# Allegro board reComputer J202_V1.0.brd (continued)
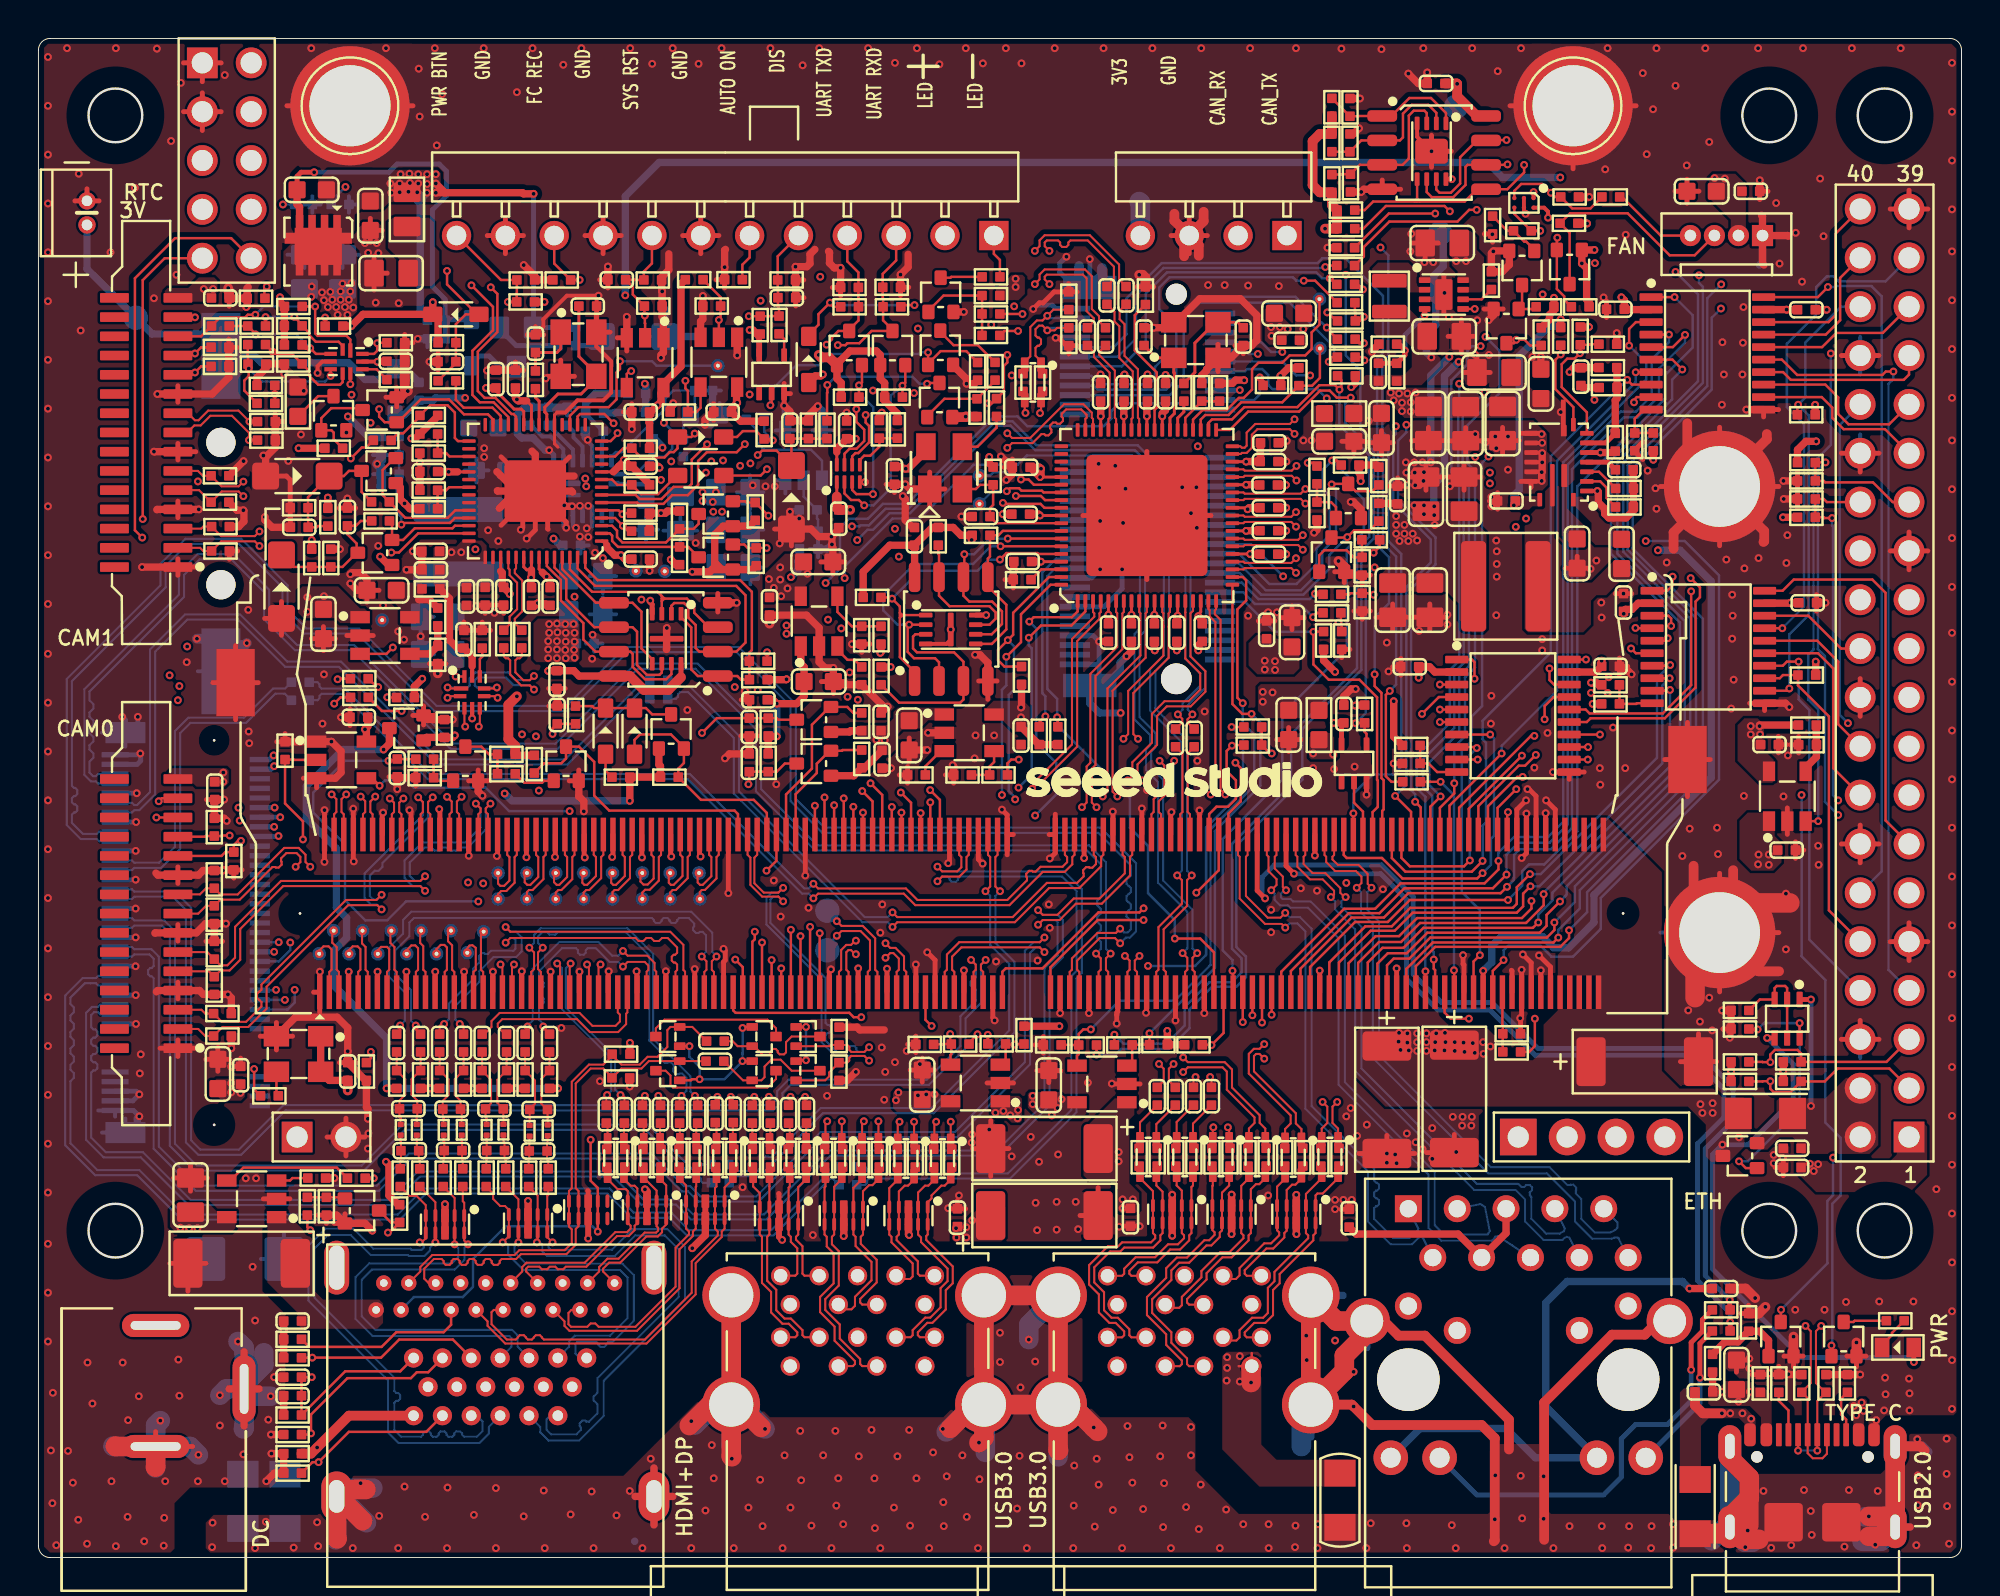
[diagram p0: board, top side]
## Routing (per net, layer and track width the routed paths; a pad name or vN(x,y) marks a point on that pad's centre or on a via; arc(x,y) is an arc through that point) (continued)
GND_SHD: length 655.3
  TOP w0.127: J1.S5 91.57,1.84
  TOP w0.381: 31.03,3.18 J5.S3 ; J5.S3 32.99,3.18 ; J5.S3 32.01,4.66 ; J5.S3 32.01,1.7 ; 87.17,1.59 J1.S1 88.73,1.59 ; 50.84,13.64 J4.22 49.16,11.96 ; 95.77,1.59 J1.S3 97.33,1.59
  TOP w0.508: J6.19 69.96,12.3 70.73,11.54 72.1,11.54 76.47,7.17 76.47,5.62 ; J3.21 68.29,7.95 v1(68.39,7.86) 69.35,6.89 75.04,6.89 75.73,6.2 v1(75.73,1.99) 75.73,0.9 75.68,0.85 ; J6.20 84.24,12.3 83.53,11.59 81.83,11.59 78.29,8.06 78.29,0.92 ; 98.08,5.57 97.87,5.79 J1.S4
  TOP w1.016: 88.94,1.68 88.94,3.07 ; 88.94,3.07 87.95,2.09 J1.S1 ; 88.94,3.07 88.96,3.1 88.96,4.15 87.95,5.16 J1.S2 ; J5.S4 15.87,3.54 17.03,3.54 ; J5.S4 15.59,3.18 16.85,1.91 ; J5.S4 15.51,1 15.53,0.97 ; J1.S1 88.59,0.95 89.47,0.95 ; J1.S1 87.6,1.24 86.29,1.24 ; 33.84,6.87 34.94,7.96 J4.20 ; J4.19 J4.20 ; J4.20 36.39,7.96 37.58,6.76 ; J4.20 36.02,5.27 36.05,5.24 ; 55.08,6.56 v1(54.88,6.76) 53.69,7.95 J3.20 ; J3.20 53.02,7.96 J4.21 ; J3.20 J3.19 49.17,13.63 J4.22 49.16,13.63 49.16,10.09 49.16,10.09 J4.21 ; J3.20 53.02,5.6 53.05,5.57 ; J1.S3 95.99,2.14 v1(95.18,2.14) ; J1.S3 96.06,1.1 95.18,1.1 ; J1.S3 J1.S4 ; J4.21 49.16,6.23 v1(48.91,5.98) ; J4.21 48.65,7.96 47.41,6.71 ; J3.21 67.91,9.7 67.91,10.5 69.08,11.67 J6.19 67.49,12.3 J3.22 J3.21
  GND02 w0.381: 88.73,1.59 J1.S1 87.17,1.59 ; 95.77,1.59 J1.S3 97.33,1.59 ; 31.03,3.18 J5.S3 ; J5.S3 32.99,3.18 ; J5.S3 32.01,4.66 ; J5.S3 32.01,1.7
  GND02 w0.508: J6.19 69.96,12.3 70.73,11.54 72.1,11.54 76.47,7.17 76.47,5.6 ; J3.21 68.29,7.95 v1(68.39,7.86) 69.35,6.89 75.04,6.89 75.73,6.2 75.73,5.29 ; 78.29,5.47 78.29,8.06 81.83,11.59 83.53,11.59 84.24,12.3 J6.20 ; J1.S4 97.94,5.79 98.21,5.52
  GND02 w1.016: J4.21 J4.22 49.17,13.63 J3.19 J3.20 ; J4.21 53.02,7.96 J3.20 ; J4.21 49.16,6.08 49.24,6 ; J4.21 48.5,7.96 46.98,6.43 ; v1(54.88,6.76) 53.69,7.95 J3.20 ; 86.25,1.18 87.54,1.18 J1.S1 ; v1(36.05,5.14) 36.02,5.17 J4.20 ; J3.20 53.02,5.7 52.97,5.65 ; J5.S4 15.64,3.18 17,1.81 ; J5.S4 15.87,3.54 17.54,3.54 ; J5.S4 15.51,1.43 15.63,1.3 ; J1.S3 96.01,1.05 95.06,1.05 ; J1.S3 J1.S4 ; J1.S3 95.99,2.14 v1(95.18,2.14) 94.93,2.14 ; J4.20 36.49,7.96 38.09,6.36 ; J4.20 35.19,7.96 33.51,6.28 ; J4.20 J4.19 ; 88.96,0.87 88.66,0.87 J1.S1 ; J1.S1 87.95,2.09 88.96,3.1 88.96,4.17 87.95,5.19 J1.S2 ; 67.91,10.45 69.08,11.62 J6.19 67.49,12.3 J3.22 J3.21 67.91,9.7 67.91,10.45
  LAY3 w0.381: 87.17,1.59 J1.S1 88.73,1.59 ; 31.03,3.18 J5.S3 ; J5.S3 32.01,4.66 ; J5.S3 32.01,1.7 ; J5.S3 32.99,3.18 ; 97.33,1.59 J1.S3 95.77,1.59
  LAY3 w0.508: 78.29,5.06 78.29,8.06 81.83,11.59 83.53,11.59 84.24,12.3 J6.20 ; 75.73,5.32 75.73,6.2 75.04,6.89 69.35,6.89 v1(68.39,7.86) 68.29,7.95 J3.21 ; 76.47,5.44 76.47,7.17 72.1,11.54 70.73,11.54 69.96,12.3 J6.19 ; 98.21,5.52 97.94,5.79 J1.S4
  LAY3 w1.016: J1.S1 87.95,2.09 88.94,3.07 88.94,4.17 87.95,5.16 J1.S2 ; J1.S1 87.51,1.15 86.39,1.15 ; J1.S1 88.16,1.38 89.1,1.38 89.43,1.05 89.67,1.05 ; 37.99,6.56 36.59,7.96 J4.20 ; v1(95.18,2.14) 95.99,2.14 J1.S3 ; J4.21 48.65,7.96 47.15,6.46 ; J4.21 49.17,7.95 J3.20 ; J4.21 49.16,6.23 v1(48.91,5.98) ; J4.21 J4.22 53.02,13.64 J3.19 J3.20 ; 17.11,3.56 15.89,3.56 J5.S4 ; J5.S4 15.69,3.18 16.9,1.96 ; J5.S4 15.51,1.18 15.53,1.15 ; J4.20 34.99,7.96 33.9,6.87 ; J4.20 36.02,6.08 36.08,6.03 ; J4.20 J4.19 ; J1.S4 J1.S3 ; J1.S3 96.04,1.07 95.13,1.07 ; J3.20 53.74,7.95 55.18,6.51 ; J3.20 53.02,5.49 53,5.47 ; 67.88,10.42 69.08,11.62 J6.19 67.49,12.3 J3.22 J3.21 67.88,9.67 67.88,10.42
  LAY4 w0.381: 88.73,1.59 J1.S1 87.17,1.59 ; J3.21 66.16,9.63 ; J3.21 67.84,7.95 ; J3.21 66.16,6.27 ; J5.S3 32.01,4.66 ; J5.S3 31.03,3.18 ; J5.S3 32.99,3.18 ; J5.S3 32.01,1.7 ; 69.08,10.92 J6.19 67.7,12.3 ; 66.16,11.95 J3.22 67.84,13.63 ; J4.21 49.16,9.64 ; J4.21 49.16,6.28 ; J4.21 50.84,7.96 ; 97.33,1.59 J1.S3 95.77,1.59
  LAY4 w0.508: 98.11,5.54 97.87,5.79 J1.S4
  LAY4 w1.016: J4.21 49.17,7.95 J3.20 ; J4.21 48.5,7.96 47.28,6.74 ; J4.21 49.16,7.96 49.16,10.62 49.21,10.68 49.16,10.72 J4.22 53.02,13.64 J3.19 J3.20 ; J4.21 48.91,7.7 v1(48.91,5.98) ; J3.20 53.69,7.95 v1(54.88,6.76) ; J3.20 53.02,5.72 53.05,5.7 ; J1.S3 J1.S4 ; J1.S3 96.06,1.1 95.03,1.1 ; J1.S3 95.99,2.14 v1(95.18,2.14) ; 17.51,3.31 15.64,3.31 J5.S4 ; J4.20 34.22,6.15 33.67,6.15 ; J4.20 36.02,5.52 36.05,5.49 ; J4.20 36.51,7.96 v1(37.78,6.69) ; J4.20 J4.19 35.88,13.49 32.78,13.49 32.01,14.27 J5.S1 ; J4.20 35.09,7.96 34.28,7.14 ; J1.S1 88.51,1.02 89.11,1.02 ; J1.S1 J1.S2 86.69,5.79 86.65,5.82 ; J1.S1 87.5,1.13 86.58,1.13 ; J5.S4 15.64,3.18 16.7,2.12 ; J5.S4 15.51,1.18 15.56,1.12 ; J6.20 84.83,10.62 84.9,10.55
  PWR05 w0.381: 87.17,1.59 J1.S1 88.73,1.59 ; 66.16,8.22 66.16,9.63 ; 66.16,11.95 J3.22 67.84,13.63 ; J5.S3 32.99,3.18 ; J5.S3 32.01,1.7 ; J5.S3 31.03,3.18 ; J5.S3 32.01,4.66 ; 67.7,12.3 J6.19 69.08,10.92
  PWR05 w0.508: 97.73,1.18 96.96,1.18 J1.S3 97.33,2.37 97.85,2.37 ; J1.S4 97.84,5.79 98.16,5.47
  PWR05 w1.016: 94.93,2.14 v1(95.18,2.14) 95.74,2.14 96.3,1.59 95.61,0.9 95.01,0.9 ; J4.19 J4.20 ; J4.20 35.14,7.96 34.18,6.99 ; J4.20 36.02,6.06 36.16,5.93 ; J4.20 36.51,7.96 v1(37.78,6.69) ; J4.21 53.02,7.96 J3.20 ; J4.21 49.16,10.63 49.29,10.75 49.16,10.88 J4.22 49.17,13.63 J3.19 J3.20 ; J4.21 49.26,7.86 49.26,5.75 ; J4.21 48.65,7.96 47.38,6.69 ; 67.27,9.33 66.16,8.22 J3.21 ; J3.21 68.29,7.95 v1(68.39,7.86) ; J3.21 66.16,7.72 ; 87.91,1.38 88.85,1.38 89.23,1 89.37,1 ; J5.S4 15.59,3.18 16.83,1.94 ; J5.S4 15.79,3.46 17.54,3.46 ; J5.S4 15.51,0.95 ; 66.16,7.72 66.16,5.59 66.18,5.57 ; 66.16,7.72 67.27,6.61 ; J3.20 53.02,5.57 53.1,5.49 ; J3.20 53.69,7.95 v1(54.88,6.76) ; 86.25,0.87 87.24,0.87 J1.S1 J1.S2 ; J1.S4 J1.S3
  BOTTOM w0.381: 31.03,3.18 J5.S3 ; J5.S3 32.01,4.66 ; J5.S3 32.99,3.18 ; J5.S3 32.01,1.7 ; 69.08,10.92 J6.19 67.7,12.3 ; 66.16,11.95 J3.22 67.84,13.63 ; J3.21 67.84,7.95 ; J3.21 66.16,6.27 ; J3.21 66.16,9.63 ; 31,0.85 31.01,0.85 ; 97.33,1.59 J1.S3 95.77,1.59
  BOTTOM w0.508: 98.23,5.49 97.94,5.79 J1.S4
  BOTTOM w1.016: J5.S4 15.94,3.61 17.39,3.61 ; J5.S4 15.69,3.18 17.06,1.81 ; J5.S4 15.51,0.97 15.46,0.92 ; 47.21,6.54 48.63,7.96 J4.21 ; J4.20 35.19,7.96 34.12,6.89 ; J4.20 36.51,7.96 v1(37.78,6.69) ; J4.20 J4.19 ; J4.20 36.02,5.89 36,5.87 ; J4.21 53.02,7.96 J3.20 ; J4.21 49.24,7.88 49.24,5.47 ; J4.21 J4.22 53.02,13.64 J3.19 ; 65.67,5.77 65.67,7.46 J3.21 ; J3.19 51.5,12.11 v1(51.5,11.34) ; J3.19 J3.20 ; 94.83,0.85 95.81,0.85 J1.S3 ; 87,0.87 87.72,1.59 J1.S1 ; J1.S2 J1.S1 ; J1.S1 88.74,0.79 89.14,0.79 ; 94.95,2.12 96.02,2.12 J1.S3 ; v1(54.88,6.76) 53.69,7.95 J3.20 ; J3.20 53.02,5.24 ; J1.S3 J1.S4
  vias: v1(9.05,1.81) v1(9.03,0.54) v1(11.26,0.49) v1(11.82,1.86) v1(13.27,0.52) v1(14.49,1.84) v1(14.54,0.59) v1(16.34,0.49) v1(16.75,3.87) v1(17.72,2.17) v1(18.71,0.49) v1(19.04,3.69) v1(20.1,2.12) v1(21.27,3.64) v1(21.25,0.49) v1(22.64,2.22) v1(23.79,3.61) v1(23.79,0.49) v1(25.23,2.14) v1(26.28,3.49) v1(26.33,0.49) v1(27.67,2.24) v1(28.76,3.44) v1(28.87,0.49) v1(30.06,2.19) v1(30.75,3.46) v1(31.41,0.49) v1(31.84,5.14) v1(33.95,7.09) v1(33.95,0.49) v1(34.68,2.45) v1(35.01,5.85) v1(35.11,4.12) v1(36.16,0.49) v1(36.92,2.6) v1(37.53,4.05) v1(37.65,1.63) v1(38.7,0.49) v1(38.8,5.32) v1(39.1,2.6) v1(39.61,6.59) v1(39.66,4.02) v1(40.19,1.66) v1(40.8,5.32) v1(41.24,0.49) v1(41.44,6.59) v1(41.49,2.7) v1(41.59,4.12) v1(41.85,1.73) v1(42.66,5.27) v1(43.32,6.64) v1(43.47,4.12) v1(43.5,1.53) v1(43.78,0.49) v1(44.49,2.6) v1(44.67,5.27) v1(45.27,6.64) v1(45.33,1.66) v1(45.66,4.12) v1(46.32,0.49) v1(46.52,5.47) v1(47.03,6.69) v1(47.05,2.88) v1(47.08,1.63) v1(47.23,4.22) v1(48.04,5.32) v1(48.27,2.12) v1(48.86,0.49) v1(48.93,4.07) v1(50,11.69) v1(50,10.17) v1(50.89,2.55) v1(51.02,5.29) v1(51.07,8.85) v1(51.4,0.49) v1(51.83,10.19) v1(53.81,0.49) v1(53.86,4.78) v1(53.83,2.7) v1(54.93,1.61) v1(55.03,5.14) v1(55.13,3.79) v1(55.87,2.47) v1(56.35,0.49) v1(56.63,6.84) v1(56.73,5.21) v1(56.88,3.89) v1(57.44,2.52) v1(58.33,5.27) v1(58.46,6.87) v1(58.48,1.58) v1(58.53,3.87) v1(58.89,0.49) v1(59.68,2.62) v1(59.93,6.79) v1(59.93,5.32) v1(60.34,1.48) v1(60.44,3.79) v1(61.43,0.49) v1(61.76,2.5) v1(62.65,1.73) v1(63.97,1.73) v1(63.97,0.49) v1(65.37,1.66) v1(65.34,0.54) v1(65.93,11.54) v1(65.95,10.27) v1(66.51,0.49) v1(66.53,1.73) v1(67.42,11.28) v1(68.39,9.66) v1(69.05,0.49) v1(69.28,1.79) v1(71.13,1.79) v1(71.16,0.49) v1(73.49,1.68) v1(73.7,0.49) v1(75.75,4.27) v1(76.24,0.49) v1(77.08,4.25) v1(77.15,2.04) v1(78.27,4.22) v1(78.27,2.01) v1(78.78,0.49) v1(79.62,1.63) v1(81.29,1.63) v1(81.32,0.49) v1(82.71,1.63) v1(82.66,0.52) v1(83.88,1.63) v1(83.86,0.49) v1(85,1.73) v1(85.01,0.52) v1(88.76,0.54) v1(88.88,1.4) v1(89.7,3.46) v1(90.1,0.5) v1(91.14,0.64) v1(91.81,3.51) v1(92.16,2.42) v1(92.21,1.18) v1(93.91,0.57) v1(94.14,3.51) v1(95.51,0.67) v1(95.64,3.46) v1(97.7,6.15) v1(97.65,0.64) v1(97.73,4.27) v1(97.73,2.73) v1(99.22,6.18) v1(99.22,4.35) v1(99.25,2.67) v1(99.35,0.72)
VBUSDET: length 2.8
  TOP w0.127: 60.5,60.14 R178.2 ; 60.5,60.14 59.64,59.27 U28.43 ; 60.5,60.14 R179.2
VCC_3V3_SQ1: length 10.5
  LAY4 w0.381: v1(26.78,52.99) 26.78,55.61 28.76,57.59 31.8,57.59 31.93,57.72 v1(32.45,57.72)
  BOTTOM w0.381: C183.1 27.14,52.64 v1(26.78,52.99) ; R248.1 32.04,58.18 32.42,57.8 32.42,57.74 v1(32.45,57.72)
VCC_3V3_SQ2: length 11.3
  TOP w0.381: R204.1 v1(79.16,64.39)
  BOTTOM w0.381: v1(79.16,64.39) 78.79,64.03 78.53,64.03 77,62.49 77,55.52 76.72,55.24 v1(76.72,54.72)
VDD_1V05: length 7.1
  BOTTOM w0.381: v1(72.43,62.42) 72.17,62.67 72.17,63.61 72.66,64.09 72.66,65.37 72.56,65.47 72.56,66.66 73.05,67.15 73.05,68.71 TP42.1
  vias: v1(69.18,59.11)
VDD_1V05_HUB: length 18.9
  TOP w0.152: v1(55.24,59.35) U28.54 ; v1(62.8,55.79) U28.33 ; v1(55.64,49.03) U28.5 ; U28.67 v1(52.08,54.19) ; v1(57.64,59.35) U28.48 ; v1(62.8,53.39) U28.27 ; U28.8 v1(56.84,49.03) ; v1(58.03,49.03) 58.04,49.04 U28.11 ; U28.30 62.8,54.59 v1(62.88,54.52) ; U28.14 v1(59.24,48.98) ; v1(56.44,59.35) U28.51 ; v1(62.8,56.99) U28.36
  TOP w0.381: 56.44,59.35 v1(56.44,59.35) 56.44,60.13 C138.1 ; v1(62.88,54.52) 62.95,54.59 C115.1 ; v1(62.8,53.39) 62.81,53.4 C109.1 ; C84.1 59.2,48.94 v1(59.24,48.98) ; v1(56.84,49.03) 56.83,49.03 C82.1 ; 57.64,59.35 v1(57.64,59.35) 57.64,60.11 C139.1 ; v1(55.64,49.03) 55.64,49.03 C81.1 ; C114.1 52.01,54.26 v1(52.08,54.19) ; C127.1 63.55,57.01 C126.1 62.8,57 v1(62.8,56.99) ; 55.24,59.35 v1(55.24,59.35) 55.24,60.13 C137.1 ; v1(62.8,55.79) 62.8,55.79 63.49,55.79 C120.1 ; v1(58.03,49.03) C83.1
  LAY4 w0.381: v1(55.24,59.35) v1(56.44,59.35)
  vias: v1(65.77,58.1) v1(66.2,58.1)
VDD_1V8: length 159.5
  TOP w0.152: 41.51,55.18 U30.1
  TOP w0.203: v1(78.5,69.68) 78.5,70 78.29,70.2 U39.A2 ; U41.8 v1(73.49,71.68)
  TOP w0.254: C74.2 67.76,43.29 U16.5
  TOP w0.381: v1(67.42,46.06) 66.83,46.65 R124.1 ; U37.2 82.48,64.9 C156.2 82.46,65.39 v1(82.31,65.54) ; 35.53,51.38 Q18.1 37.13,51.38 R132.1 ; 35.53,51.38 35.17,51.75 ; 35.53,51.38 35.03,51.38 ; R10.1 18.7,18.35 18.22,18.83 18.22,20.43 v1(18.07,20.58) ; R175.1 41.74,61.09 41.52,61.31 Q27.1 41.52,62.07 42.19,62.75 43.57,62.75 43.77,62.54 Q28.1 43.77,61.31 44,61.08 R176.1 44,60.16 44.66,59.5 R167.1 ; U19.2 72.61,46.05 72.34,46.32 C77.2 v1(71.77,45.76) ; v1(19.96,45.7) 19.55,45.29 R108.1 ; C74.2 v1(67.36,43.41) ; R96.1 70.47,42.69 v1(70.47,44.53) ; v1(89.5,43.24) 89.5,43.24 89.5,43.29 R104.1 ; 35.03,51.38 34.91,51.26 v1(34,51.26) ; 35.03,51.38 35.17,51.52 35.17,51.75 ; R141.1 36.97,53.63 Q21.1 35.6,53.63 35.17,53.19 35.17,51.75 ; v1(80.91,68) Q33.1 v1(80.26,67.3) 80.5,67.05 80.5,65.42 80.63,65.29 R218.1 ; v1(80.73,45.5) 80.78,45.5 80.8,45.49 81.03,45.49 81.13,45.38 R110.1 ; C90.2 82.53,49.31 82.87,49.31 83.19,49.63 U21.2 ; R159.1 v1(83.97,57.09) ; R89.1 24.85,41.72 R94.1
  TOP w0.508: Q27.1 41.12,62.42 40.7,62.42 v1(40.58,62.54) ; v1(42.21,54.48) C111.2 41.51,54.59 41.51,55.18 ; R94.1 24.79,42.21 24.43,42.56 24.43,44.34 v1(24.88,44.79) ; R244.1 R241.1 66.63,74.03 66.26,73.66 66.26,71.37 66.63,71 R239.1 67.26,70.34 R236.1 R234.1 v1(66.9,69.11) ; U40.8 74.8,74.97 73.77,76 v1(73.77,76.64) 73.75,76.66 C168.1
  LAY3 w0.381: v1(18.07,20.58) 18.07,23.63 16.7,25 16.7,31.86 16.34,32.21 16.34,33.03 14.29,35.08 12.66,35.08 11.14,36.61 11.14,39.53 10.15,40.52 10.15,44.97 v1(7.73,47.38)
  LAY3 w0.508: v1(50.81,66.07) 42.94,66.07 40.4,63.53 40.4,62.72 v1(40.58,62.54) 40.42,62.54 39.92,62.03 39.92,56.78 v1(42.21,54.48)
  LAY4 w0.381: 19.96,46.15 19.96,46.16 ; 19.96,46.15 v1(19.96,45.7) ; 19.96,46.15 19.52,46.59 ; 19.96,46.16 20.38,46.59 ; 19.96,46.16 19.96,46.57 19.98,46.59
  LAY4 w0.508: 24.88,46.54 24.88,46.11 ; 24.88,46.54 24.88,47.15 ; 24.88,46.54 24.83,46.59 24.4,46.59 ; 24.88,46.11 24.4,46.59 ; 24.88,46.11 v1(24.88,44.79) ; 24.4,46.59 24.32,46.59 ; 24.88,47.15 24.88,47.71 26.89,49.72 26.89,50.25 27.27,50.63 33.36,50.63 v1(34,51.26) 37.73,55 41.69,55 v1(42.21,54.48) ; 24.88,47.15 24.32,46.59 ; 24.32,46.59 8.52,46.59 v1(7.73,47.38)
  BOTTOM w0.381: v1(73.77,76.64) 73.72,76.59 TP30.1
  vias: v1(50.81,66.5) v1(80.73,44.96) v1(80.94,67.32) v1(81.6,44.97) v1(81.65,45.78) v1(82.44,49.08) v1(89.04,43.24) v1(89.04,42.81) v1(89.52,42.81)
VDD_1V8_FB: length 2.6
  TOP w0.381: U15.4 91.89,41.08 92.45,41.64 R98.1 92.45,42.28 R104.2
VDD_3V3_DISCHG: length 2.3
  TOP w0.127: R174.2 14.54,60.4 Q24.3
VDD_3V3_DP: length 26.5
  TOP w0.381: R68.1 v1(30.76,26.77)
  LAY3 w0.381: J5.B20 17.23,13.2 17.23,15.17 22.39,20.33 29.81,20.33 32.89,23.41 32.89,24.91 31.04,26.77 v1(30.76,26.77)
VDD_3V3_HDMI: length 45.1
  TOP w0.381: Q15.1 32.26,41.23 32.34,41.15 R84.1 R83.1 v1(30.75,39.35) ; C63.1 42.96,41.07 R93.1 42.4,40.66 Q14.1 ; R105.1 42.24,43 42.18,42.94 Q17.1 ; v1(43.78,47.05) 43.81,47.09 R123.1 ; Q16.1 20.18,42.65 R101.1 21.55,42.65 v1(21.65,42.76)
  LAY3 w0.381: v1(24.24,39.73) 23.72,39.73 21.65,41.8 v1(21.65,42.76) ; v1(43.78,47.05) 43.78,46.53 43.57,46.32 v1(43.57,42.53)
  LAY4 w0.381: v1(43.57,42.53) 43.6,42.5 v1(44,42.5) 44,41.64 43.76,41.4 43.76,38.83 42.99,38.06 37.6,38.06 36.31,39.35 v1(30.75,39.35)
  BOTTOM w0.381: v1(30.75,39.35) 24.62,39.35 v1(24.24,39.73)
VDD_3V3_HUB: length 10.1
  TOP w0.152: U28.17 60.44,49.18 60.31,49.05 v1(60.31,48.95) ; U28.73 v1(52.13,51.79) ; v1(58.44,59.35) U28.46 ; v1(63,52.19) U28.24 ; U28.62 v1(52.08,56.19)
  TOP w0.381: C140.1 58.61,59.67 58.44,59.5 v1(58.44,59.35) 58.44,59.35 ; v1(52.13,51.79) 52.12,51.8 C102.1 ; C85.1 60.52,48.75 v1(60.31,48.95) ; C103.1 63.01,52.18 v1(63,52.19) ; R179.1 62.08,61.06 62.25,61.23 62.69,61.23 v1(62.7,61.22) ; v1(52.13,56.62) 52.13,56.24 v1(52.08,56.19) 52.07,56.19 C124.1 52.06,56.7 v1(52.13,56.62)
  vias: v1(60.29,57.79) v1(63.66,45.02) v1(63.66,44.51) v1(64.17,44.99)
VDD_3V3_SYS: length 196.3
  TOP w0.152: 41.51,57.49 U30.8
  TOP w0.203: U36.9 17.62,62.2 v1(17.63,62.19)
  TOP w0.254: U25.8 v1(49.28,49.01)
  TOP w0.381: v1(49.44,57.23) 49.44,56.91 R151.1 ; C108.1 45.56,52.64 U26.8 ; C108.1 46.48,53.57 R134.1 47.56,53.57 47.97,53.16 R135.1 48.53,53.13 v1(48.53,52.92) ; C108.1 44.27,52.64 42.89,51.26 R127.1 ; OSC1.1 OSC1.4 15.12,24.81 C47.1 ; v1(81.29,46.64) C78.1 80.99,46.05 U19.19 ; R78.1 v1(53.09,27.63) ; v1(12.79,61.55) R193.1 11.83,62.07 R192.1 ; R192.1 11.82,61.83 11.36,61.37 R181.1 ; R192.1 11.82,62.06 ; U31.4 46.15,57.55 45.22,56.62 v1(45.1,56.62) 44.97,56.62 44.86,56.74 C121.1 ; R67.1 v1(88.02,25.28) R56.1 ; C116.1 70.64,54.83 R142.1 ; C91.1 v1(91.11,49.65) 91.09,49.63 U21.19 ; 41.51,57.49 41.51,57.67 C129.1 v1(42.5,58.18) ; R115.1 51.12,44.23 v1(51.09,44.2) ; v1(68.26,60.87) 68.48,61.08 R188.1 ; R139.1 v1(90.72,54.1) ; R154.1 91.47,57.61 91.91,58.05 v1(92.44,58.05) ; v1(68.76,55.98) 68.74,55.99 68.74,56.35 68.67,56.42 R153.1 69.59,56.81 R152.1 ; v1(17.63,62.19) 17.72,62.19 17.74,62.21 C146.1 ; U37.19 v1(90.9,64.9) 90.91,64.89 C155.1 ; R100.1 R99.1 52.03,42.28 C67.1 ; R113.1 v1(44.31,46.31) ; v1(40.79,61.53) 40.75,61.53 40.68,61.45 40.4,61.45 D38.1 ; R187.1 65,61.87 v1(64.58,61.45) 64.58,61.37 64.61,61.35 R182.1 ; R191.2 80.22,61.88 C144.2 79.84,61.87 v1(79.62,61.65) ; v1(58.7,27.39) R73.1 59.59,26.67 R72.1 ; v1(68.47,44.3) 68.52,44.3 68.54,44.33 R106.1 ; v1(12.56,65.54) 12.56,65.29 R220.1 12.79,65.06 R210.1 R196.1 ; R169.1 v1(92.39,59.95) ; C7.1 v1(85.85,13.99) ; R116.1 v1(92.42,46.59)
  TOP w0.508: C47.1 v1(16.08,24.29)
  LAY3 w0.381: v1(42.5,58.18) 41.46,59.21 41.46,59.72 40.53,60.66 40.53,61.27 v1(40.79,61.53)
  LAY4 w0.381: v1(92.42,46.59) 91.77,47.24 91.23,47.24 90.99,47 83.96,47 83.4,46.44 82.33,46.44 82.13,46.64 v1(81.29,46.64) ; v1(85.85,13.99) 86.37,13.99 86.41,14.03 91.83,14.03 92.9,15.09 92.9,20.1 v1(92.54,20.45) ; v1(45.1,56.62) 48.31,56.62 48.92,57.23 v1(49.44,57.23) ; v1(73.85,62.19) 74.27,62.19 74.8,61.65 v1(79.62,61.65) ; v1(53.09,27.63) 53.16,27.63 53.32,27.79 53.34,27.79 54.37,28.82 54.4,28.82 54.41,28.83 57.36,28.83 57.38,28.85 57.81,28.85 58.41,28.25 58.41,27.68 v1(58.7,27.39) 59.22,27.39 59.31,27.3 64.67,27.3 65.37,28 73.29,28 73.77,27.52 85.26,27.52 87.5,25.28 v1(88.02,25.28) ; v1(50.61,61.48) 48.81,61.48 48.73,61.56 46.03,61.56 45.99,61.53 v1(40.79,61.53)
  PWR05 w0.381: 56.1,67.44 56.1,67.55 J16.4
  PWR05 w0.508: 58.2,67.8 58.2,67.85 J16.4
  PWR05 w0.533: 96.29,42.19 J10.17 ; J10.17 97.27,43.17 ; J10.17 97.27,41.21 ; J10.17 98.25,42.19 ; 57.3,67.81 J16.4 58.24,68.75
  BOTTOM w0.254: J18.2 12.02,41.5 v1(12.23,41.71) ; v1(12.25,41.16) 12.1,41 J18.4 ; J18.14 v1(12.57,38.5) ; J18.12 v1(12.28,39) ; v1(12.48,37.52) 12.46,37.5 J18.18 ; J18.16 v1(12.25,38)
  BOTTOM w0.381: v1(72.58,54.67) 72.55,54.69 72.55,55.79 73.11,56.34 73.11,61.45 v1(73.85,62.19) ; v1(85.85,13.99) 85.48,14.36 79.49,14.36 78.38,13.25 78.38,7.85 J6.17 77.84,5.19 76.31,6.71 71.84,6.71 J6.15 ; v1(16.09,59.34) 17.13,58.3 R262.1
  BOTTOM w1.016: 57.24,70.52 57.3,70.46 J16.4
  vias: v1(7.38,17.15) v1(7.84,17.13) v1(8.27,17.13) v1(8.6,65.97) v1(9.08,65.97) v1(9.61,40.83) v1(9.61,40.34) v1(10.02,24.67) v1(10.02,24.19) v1(10.5,24.16) v1(13.79,60.67) v1(51.09,43.7) v1(63.77,46.64) v1(63.77,46.18) v1(64.1,63.99) v1(64.12,63.53) v1(64.3,46.62) v1(64.3,46.16) v1(64.55,63.99) v1(64.96,63.89) v1(66.28,41.82) v1(67.32,41.76) v1(70.6,54.16) v1(70.6,53.7) v1(70.6,53.25) v1(70.78,52.86) v1(71.03,53.7) v1(71.03,53.25) v1(71.23,52.86) v1(71.46,53.25) v1(71.54,54.72) v1(71.69,52.89) v1(72.05,54.72) v1(72.05,54.26) v1(72.58,54.21) v1(72.61,53.7) v1(73.72,67.42) v1(74.23,67.42) v1(89.45,36.56) v1(89.42,36.05) v1(89.98,36.56) v1(89.98,36.02) v1(92.11,20.48) v1(92.32,20.1)
VDD_5V0_HDMI_CON: length 76.3
  TOP w0.381: C75.1 38.19,44.61 v1(38.39,44.41) 39.43,44.41 39.81,44.79 C76.1 39.81,46.32 39.64,46.49 U27.1 ; R91.1 R102.1 37.97,42.7 v1(38.39,42.7)
  TOP w0.508: J5.A18 16.15,7.38 v1(14.49,5.72) 14.17,5.4 D2.2
  LAY3 w0.508: v1(25.87,42.71) 25.41,42.25 25.41,37.75 24.75,37.09 22.11,37.09 21.09,36.08 21.09,33.64 20.48,33.03 20.48,31.97 20.03,31.52 20.03,29.68 18.17,27.82 18.17,26.2 19.43,24.95 19.43,20.1 17.73,18.4 13.96,18.4 12.17,16.61 12.17,11.47 13.18,10.45 13.18,6.45 13.91,5.72 v1(14.49,5.72)
  LAY4 w0.508: v1(25.87,42.71) 26.38,42.2 37.88,42.2 v1(38.39,42.7)
  BOTTOM w0.381: v1(38.39,44.41) v1(38.39,42.7)
VDD_5V_GPIO: length 6.1
  TOP w0.254: Q11.1 v1(92.17,29.02)
  BOTTOM w0.254: v1(92.17,29.02) v1(92.17,23.48)
VDD_5V_SYS: length 68.2
  TOP w0.203: U39.A1 v1(77.75,71.01)
  TOP w0.254: LED1.1 97.52,10.17 v1(97.52,10.17) ; Q11.4 v1(89.89,27.02)
  TOP w0.381: R203.1 78.57,64.39 78.57,64.62 78.8,64.86 R217.1 v1(78.8,65.51) ; C72.1 17.13,43.21 v1(16.98,43.07) 17.05,42.99 U17.5 ; v1(80.53,69.37) 80.52,69.39 R235.1 ; R161.1 v1(13.53,57.69) ; R140.1 v1(15.05,55.12) ; R224.1 v1(26.31,65.3) ; U35.5 36.33,60.66 36.3,60.63 36.3,60.09 v1(36.33,60.05) 36.04,59.76 C136.1 36.52,59.1 R163.1
  LAY3 w0.381: v1(14.85,49.99) 16.14,48.7 16.14,45.52 16.98,44.69 v1(16.98,43.07)
  PWR05 w0.152: 46.2,68.75 J15.2 ; J15.2 47.14,69.69 ; J15.2 47.14,67.81 ; J15.2 48.08,68.75
  PWR05 w0.254: v1(27.88,49.97) 29.32,51.42 30.19,51.42 31,52.23 31.74,52.23 33.82,54.31 33.82,57.51 33.59,57.74 33.59,58.83 33.92,59.16 33.92,60.25 33.13,61.04 v1(31.53,61.04)
  BOTTOM w0.254: v1(89.89,27.02) 91.25,25.66 91.25,23.81 88.91,21.47 v1(87.57,21.47) 87.06,20.96 87.06,14.99 91.66,10.4 97.29,10.4 v1(97.52,10.17)
  BOTTOM w0.381: v1(31.53,61.04) 31.58,61 R255.2 C192.2
  vias: v1(13.98,49.94) v1(13.98,49.18) v1(26.5,47.66) v1(26.5,47.23) v1(26.5,46.77) v1(26.56,48.55) v1(26.56,48.09) v1(26.96,48.57) v1(26.99,48.11) v1(26.96,47.66) v1(26.96,47.23) v1(26.96,46.77) v1(27.39,48.55) v1(27.39,47.2) v1(27.42,48.09) v1(27.42,47.63) v1(27.42,46.77) v1(27.83,48.55) v1(27.88,48.09) v1(27.88,47.63) v1(27.85,47.2) v1(27.88,46.79) v1(37.99,50.88) v1(38.24,50.43) v1(38.57,51.49) v1(38.57,50.86) v1(38.62,49.99) v1(38.9,48.47) v1(38.9,48.04) v1(38.95,50.4) v1(39.99,51.16) v1(44.59,23.78) v1(44.72,24.19) v1(45.73,24.04) v1(46.16,24.09) v1(46.6,24.09) v1(51.7,24.01) v1(51.7,23.58) v1(52.69,22.99) v1(53,23.38) v1(53.2,23.83) v1(70.75,27.29) v1(70.73,26.83) v1(70.83,26.4) v1(71.18,27.26) v1(71.18,26.78) v1(71.26,26.37) v1(71.69,27.26) v1(71.69,26.8) v1(71.69,26.35) v1(72.17,27.26) v1(72.17,26.8) v1(72.17,26.35) v1(72.61,26.37) v1(72.68,27.26) v1(72.63,26.8) v1(73.11,26.37) v1(73.14,27.29) v1(73.16,26.8) v1(73.65,26.8) v1(73.65,26.35) v1(74.1,26.78) v1(74.15,26.3) v1(74.59,26.75) v1(74.69,26.25) v1(75.12,26.8) v1(75.15,26.19) v1(75.5,26.58) v1(86.42,23.58) v1(86.52,23.12) v1(87.06,23.63) v1(87.06,23.12) v1(87.16,71.74) v1(87.69,71.71) v1(88.43,21.85)
VDD_DCIN: length 39.2
  TOP w0.381: R130.1 v1(14.21,52.92) ; R205.1 v1(80.63,63.99)
  TOP w0.508: R171.2 v1(48.22,59.33) 48.19,59.31 Q26.2
  LAY3 w0.381: 36.99,54.74 38.13,54.74 38.48,54.4 38.48,53.72 39.13,53.07 v1(39.13,50.99) ; v1(14.19,65.56) 13.89,65.27 13.89,63.67 13.6,63.38 13.6,61.73 14.29,61.04 14.29,53.52 14.21,53.44 v1(14.21,52.92) ; v1(80.63,63.99) 80.65,63.97 80.65,61.07 v1(79.16,59.57)
  LAY4 w0.381: v1(48.22,59.33) 45,59.33 44.21,60.13 42.83,60.13 42.47,60.48 v1(36.98,60.48)
  BOTTOM w0.381: v1(39.13,50.99) 39.5,51.35 39.5,51.81 39.57,51.89 R247.1
  vias: v1(14.21,66.1) v1(14.74,65.79) v1(14.85,65.39) v1(15.05,65.03) v1(15.18,65.82) v1(15.28,65.41) v1(15.48,65.03) v1(15.56,64.62) v1(15.71,65.84) v1(15.71,65.41) v1(15.81,66.25) v1(15.94,65.03) v1(16.06,64.62) v1(16.14,65.41) v1(16.27,66.28) v1(16.22,65.84) v1(16.37,65.01) v1(28.43,56.12) v1(28.49,55.71) v1(32.37,56.04) v1(32.91,57) v1(34.53,55.4) v1(34.53,54.95) v1(34.71,56.42) v1(34.99,57) v1(35.06,54.9) v1(35.09,54.39) v1(35.23,55.4) v1(35.6,57.06) v1(35.55,54.39) v1(36.49,56.78) v1(37.02,56.9) v1(70.32,60.59) v1(70.47,60.18) v1(70.75,60.54) v1(70.9,60.05) v1(70.9,59.62) v1(71.18,60.54) v1(71.36,60.08) v1(71.36,59.6) v1(71.61,60.59)
VDD_VBUS_A: length 5.4
  LAY4 w0.381: J4.1 39.09,10.64 ; J4.1 38.42,9.96 ; J4.1 39.09,9.28 ; J4.1 39.77,9.96 ; J4.10 39.77,13.16 ; J4.10 39.09,13.84 ; J4.10 39.09,12.48 ; J4.10 38.42,13.16
  vias: v1(47.71,17.13) v1(47.74,16.64) v1(48.25,17.18) v1(48.25,16.64) v1(48.55,17.53) v1(49.76,23.13) v1(50.18,23.22) v1(50.53,22.99) v1(50.91,22.84) v1(50.94,23.27)
VDD_VBUS_B: length 5.4
  LAY4 w0.508: 55.41,9.95 J3.1 ; J3.1 56.77,9.95 ; J3.1 56.09,9.27 ; J3.1 56.09,10.63 ; J3.10 56.09,13.83 ; J3.10 55.41,13.15 ; J3.10 56.77,13.15 ; J3.10 56.09,12.47
  vias: v1(56.17,21.09) v1(56.17,20.61) v1(56.37,18.63) v1(56.37,18.17) v1(56.91,18.63)
ADC0: length 7.8
  TOP w0.127: R147.2 16.8,55.42 Q23.3 16.15,56.51 15.88,56.24 D33.2 14.02,55.14 R144.1 14.02,54.03 14.02,54.02 C110.1 14.47,53.58 14.53,53.64 R140.2
ADC2: length 7.5
  TOP w0.127: 16.54,52.25 15.81,51.52 R131.1 R130.2 13.26,51.52 D23.2 ; 16.54,52.25 16.54,52.73 16.07,53.21 C112.1 16.51,53.65 16.76,53.91 R137.2 ; 16.54,52.25 Q20.3
AUTO_ON_DIS: length 2.4
  TOP w0.127: J15.6 36.98,67.61 36.61,67.23 R229.1
BBAT: length 124.4
  TOP w0.254: v1(75.12,30.51) J11.235
  LAY3 w0.381: v1(30.51,65.64) 28.36,63.48 23.84,63.48 22.19,61.83 v1(22.19,60.31) ; v1(84.21,52.38) 84.21,53.02 82.05,55.18 82.05,60.05 81.34,60.76 81.34,64.14 79.51,65.98 79.51,71.4 v1(79.13,71.77)
  BOTTOM w0.381: D51.2 19.02,59.42 R254.1 20.53,60.19 20.65,60.31 v1(22.19,60.31) ; v1(75.12,30.51) 75.58,30.97 75.58,31.81 76.06,32.29 78.22,32.29 78.8,31.71 79.56,31.71 80.89,33.03 80.89,34.45 86.98,40.55 86.98,50.77 85.37,52.38 v1(84.21,52.38) ; v1(30.51,65.64) 30.51,66.16 30.52,66.16 30.52,70.8 32.27,72.55 75.35,72.55 76.13,71.77 v1(79.13,71.77)
BBAT_CONN: length 22.7
  BOTTOM w0.381: J14.2 2.52,67.02 TP40.1 5.9,63.63 8.67,63.63 9.49,62.82 J19.2 11.24,62.49 11.6,62.14 16.12,62.14 16.99,61.26 18.09,61.26 18.54,61.72 D51.1 19.08,61.82 R254.2
BMCU_ACOK: length 16.6
  TOP w0.127: J15.5 38.44,67.67 D49.2 38.44,65.97 38.45,65.96 C159.1 38.45,65.06 38.51,65 R212.1 37.98,64.56 37.97,64.56 R211.2 v1(36.94,64.56) ; v1(30.11,58.48) 30.11,58.42 29.76,58.06 U29.14
  LAY3 w0.127: v1(36.94,64.56) 36.19,64.56 v1(30.11,58.48)
BMCU_PGOOD: length 6.4
  TOP w0.127: R160.1 18.71,58.47 18.97,58.47 19.84,59.34 R168.2 20.37,59.93 21.27,59.93 21.65,59.54 21.65,58.22 21.82,58.06 U29.29
BMCU_POWER_EN: length 13.8
  TOP w0.127: U29.16 28.03,59.34 28.16,59.47 29.43,59.47 v1(29.91,58.99) ; R228.2 35.47,65.54 R222.1 35.47,64.45 v1(35.38,64.36) U35.2
  LAY3 w0.127: v1(29.91,58.99) 30.19,59.26 30.44,59.26 35.1,63.93 35.1,64.08 v1(35.38,64.36)